# Altium PCB Exter.PcbDoc (part 2 of 2)
Units mm, origin at the board's own origin, x right, y up, seen from the top; angles counter-clockwise.
Board outline 173.35 x 113.03 mm, 2 copper layers (Top Layer, Bottom Layer); 156 components, 130 nets, 506 pads, 251 vias.
Unrouted connection lines stored in the file: 4.
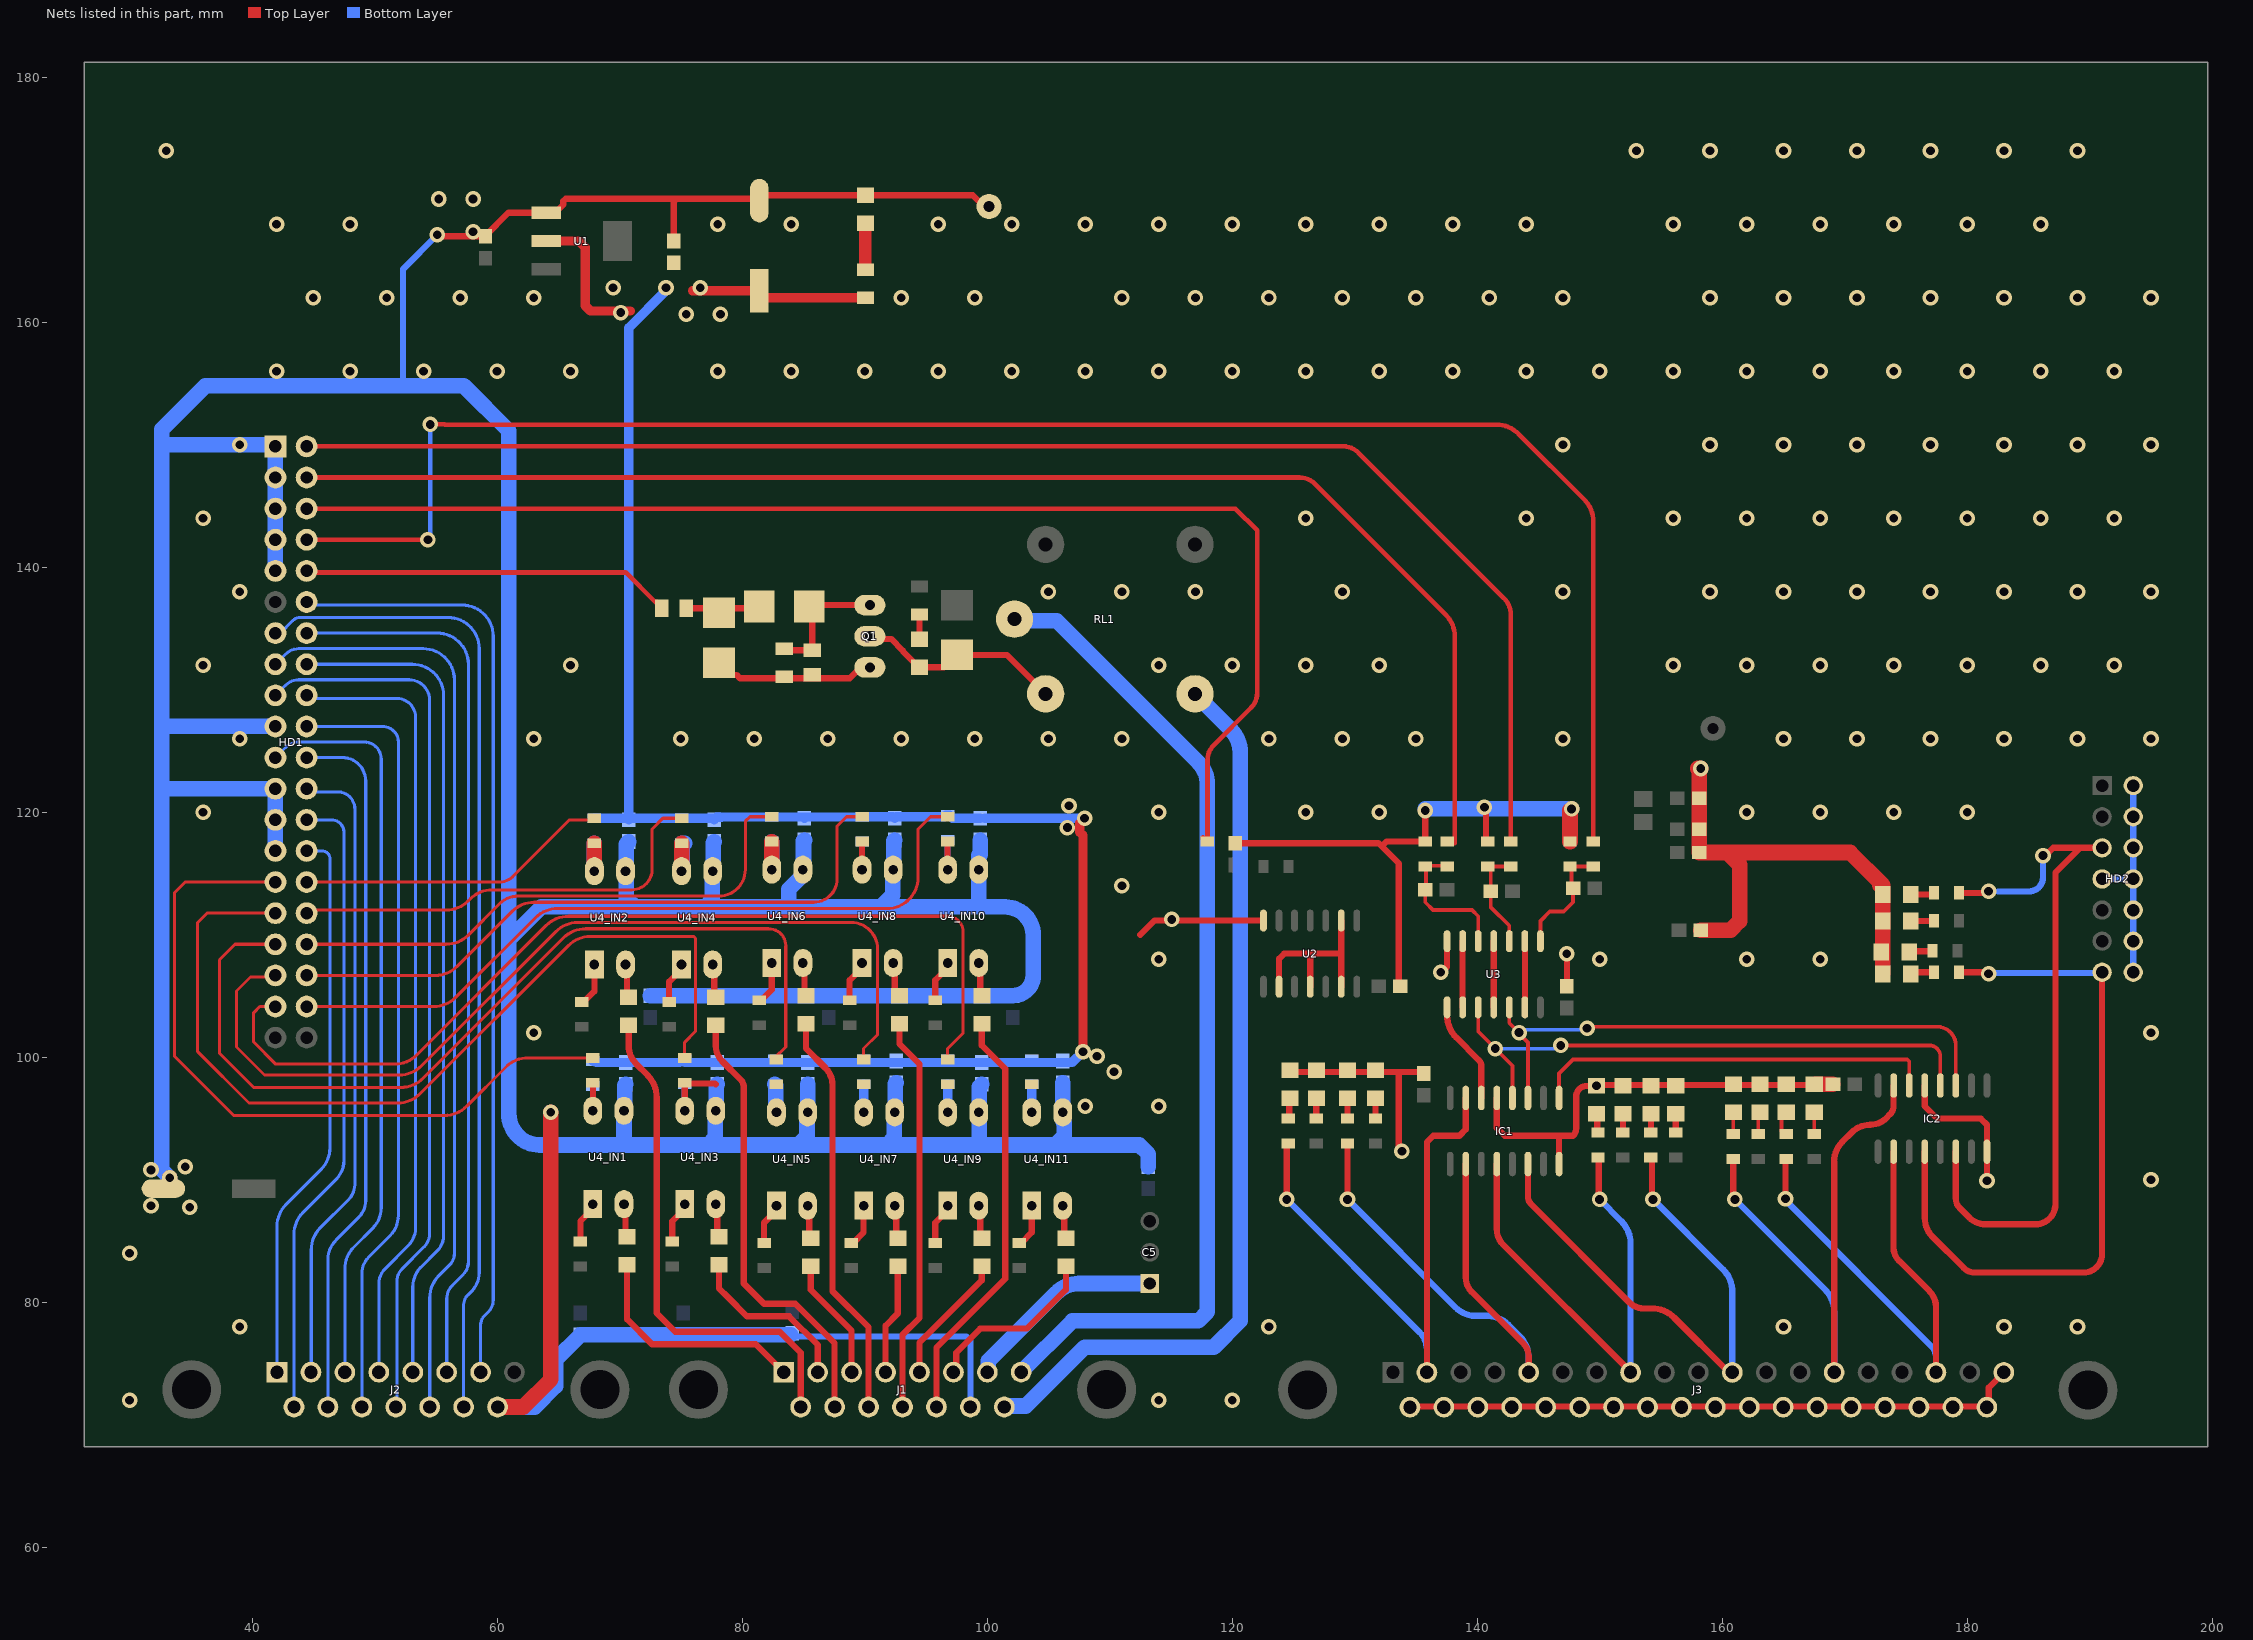
[diagram p2: the nets of this part, all layers, seen from the top]

## Via types
v1: diameter 1.27, hole 0.711, Top Layer to Bottom Layer, tented both sides, 247 vias
v2: diameter 6, hole 4, Top Layer to Bottom Layer, tented both sides, 4 vias

## Nets (pads, with @x,y where several pads share a name; then routed paths per layer and width w, separated by ;. In a path a pad name is that pad's centre, name@x,y a point inside that pad or via, vN(x,y) a via of type N, cw(c..) or ccw(c..) an arc to the next point about the centre after c; other vN are vias at no path point) (continued)
GND: C1.2 C2.2 C3.1 C4.1 C7.1 C11.2 C12.2 C13.1 C14.1 C15.1 C16.1 C17_IN1.2 C17_IN2.2 C17_IN3.2 C17_IN4.2 C17_IN5.2 C17_IN6.2 C17_IN7.2 C17_IN8.2 C17_IN9.2 C17_IN10.2 C17_IN11.2 C18.1 C19.1 C20.1 C21.1 C22.1 C23.1 C24.1 C25.1 C26.1 C27.1 D1.2 D2.2@131.699,98.933 D3.1 D4.2 D5.2 D6.2 D7.2 D8.2 HD1.1 HD1.3 HD1.5 HD1.7 HD1.9 HD1.19 HD1.23 HD1.25 HD1.27 HD2.2 HD2.4 HD2.6 HD2.7 HD2.8 HD2.10 HD2.12 HD2.14 IC1.8 IC1.13 IC2.8 IC2.13 J1.14 J2.15 J3.19 J3.20 J3.21 J3.22 J3.23 J3.24 J3.25 J3.26 J3.27 J3.28 J3.29 J3.30 J3.31 J3.32 J3.33 J3.34 J3.35 J3.36 J3.37 LED1.2 Q1.1 R1.2 R5.2 R6.2 R7.2 S1.2 S2.2 S3.2 S4.2 S5.2 S6.2 S7.2 S8.2 S9.2 TP1.1 U1.1 U2.7 U3.7 U4_IN1.3 U4_IN2.3 U4_IN3.3 U4_IN4.3 U4_IN5.3 U4_IN6.3 U4_IN7.3 U4_IN8.3 U4_IN9.3 U4_IN10.3 U4_IN11.3 | length 779.5
  Top Layer w0.5: 112.5,110 113.658,111.158 U2.7@122.555,111.158
  Top Layer w0.508: v1(55.118,167.132) 55.245,167.005 C3.1@59.055,167.005 59.055,167.055 60.924,168.924 U1.1@64.029,168.924 64.729,168.924 65.405,169.6 65.405,169.882 65.605,170.082 74.676,170.082 ; C4.1@74.422,166.624 74.422,169.828 74.676,170.082 ; D3.1@78.105,132.207 79.101,131.211 79.546,131.211 79.819,130.937 81.28,130.937 83.439,130.937 85.725,130.937 88.787,130.937 89.676,131.826 Q1.1@90.424,131.826 ; TP1.1@100.178,169.012 98.828,170.363 LED1.2@90.068,170.363 81.844,170.363 C2.2@81.407,169.926 81.251,170.082 74.676,170.082 ; C13.1@120.269,117.475 131.953,117.475 132.207,117.221 ; S1.2@124.714,98.933 124.841,98.806 133.604,98.806 ; C11.2@133.604,105.791 133.604,115.824 132.207,117.221 ; v1(133.858,92.329) 133.604,92.583 133.604,98.806 ; J3.20@134.51,71.434 134.577,71.501 181.533,71.501 J3.37@181.6,71.434 181.752,71.586 181.752,73.041 J3.19@182.985,74.274 ; C15.1@135.636,98.679 135.509,98.806 133.604,98.806 ; v1(135.763,120.142) R7.2@135.763,117.602 132.588,117.602 132.207,117.221 ; v1(137.033,106.934) ccw(c137.033,107.241) 137.25,107.024 137.414,107.188 ccw(c137.107,107.495) 137.541,107.495 U3.7@137.541,109.474 ; v1(140.589,120.396) 140.716,120.269 140.716,117.729 R6.2@140.843,117.602 ; IC1.13@141.605,96.68 141.605,94.234 142.24,93.599 146.685,93.599 ; IC1.8@146.685,91.28 146.685,93.599 ; C12.2@147.32,105.791 v1(147.32,108.458) ; D6.2@167.576,97.79 D6.2@167.513,97.79 167.45,97.727 149.796,97.727 v1(149.733,97.663) 148.949,97.663 ccw(c148.949,96.796) 148.336,97.409 ccw(c148.949,96.796) 148.082,96.796 148.082,94.212 cw(c147.215,94.212) 147.828,93.599 146.685,93.599 ; IC2.13@176.53,97.696 176.53,96.012 177.546,94.996 181.102,94.996 181.61,94.488 IC2.8@181.61,92.296 v1(181.61,89.916)
  Top Layer w1.27: C1.2@32.766,89.281 33.274,89.789 v1(33.274,90.17) ; J2.15@60.042,71.453 62.135,71.453 64.389,73.707 v1(64.389,95.504) ; R5.2@147.574,117.602 147.574,120.142 v1(147.701,120.269) ; C19.1@158.242,110.363 160.673,110.363 161.417,111.107 161.417,115.697 160.401,116.713 ; v1(158.242,123.571) 157.988,123.571 cw(c157.681,123.264) 158.115,123.264 C18.1@158.115,121.158 C14.1@158.115,118.618 C20.1@158.115,116.713 160.401,116.713 ; D6.2@167.576,97.79 C16.1@169.037,97.79 ; 172.847,114.046 S8.2@173.101,113.792 ; S7.2@173.101,106.807 D8.2@173.101,111.125 S8.2@173.101,113.284 S8.2@173.101,113.792 ; 160.401,116.713 170.434,116.713 173.101,114.046 S8.2@173.101,113.792
  Bottom Layer w0.508: 52.324,154.813 52.324,164.338 v1(55.118,167.132) ; C21.1@83.947,77.343 84.074,77.216 98.298,77.216 98.631,76.883 J1.14@98.631,71.453 ; HD2.7@191.008,114.554 HD2.8@193.548,114.554 ; HD2.14@193.548,106.934 HD2.12@193.548,109.474 HD2.10@193.548,112.014 HD2.8@193.548,114.554 ; HD2.2@193.548,122.174 HD2.4@193.548,119.634 HD2.6@193.548,117.094 HD2.8@193.548,114.554
  Bottom Layer w1.27: v1(33.274,90.17) 32.639,90.805 32.639,121.92 ; HD1.27@41.91,116.84 HD1.25@41.91,119.38 HD1.23@41.91,121.92 32.639,121.92 ; HD1.19@41.91,127 32.639,127 ; HD1.9@41.91,139.7 HD1.5@41.91,144.78 HD1.1@41.91,149.86 41.783,149.987 32.639,149.987 ; J2.15@60.042,71.453 63.071,71.453 64.77,73.152 64.77,75.311 C22.1@66.802,77.343 C23.1@75.184,77.343 C21.1@83.947,77.343 ; C17_IN1.2@70.485,97.79 70.407,97.712 70.407,95.68 U4_IN1.3@70.358,95.631 70.358,93.091 70.104,92.837 ; C17_IN2.2@70.739,117.602 70.534,117.397 70.534,115.238 U4_IN2.3@70.485,115.189 70.534,115.14 70.534,113.012 71.278,112.268 ; C27.1@72.517,105.029 C26.1@87.058,105.029 C25.1@102.108,105.029 ccw(c102.108,106.68) 103.759,106.68 103.759,109.982 ccw(c101.473,109.982) 101.473,112.268 99.314,112.268 ; C17_IN4.2@77.724,117.602 77.646,117.524 77.646,115.238 U4_IN4.3@77.597,115.189 77.548,115.14 77.548,112.854 76.962,112.268 ; C17_IN3.2@77.978,97.79 77.9,97.712 77.9,95.68 U4_IN3.3@77.851,95.631 77.802,95.582 77.802,93.423 77.216,92.837 ; C17_IN6.2@85.09,117.729 85.012,117.651 85.012,115.365 U4_IN6.3@84.963,115.316 84.963,114.866 83.82,113.723 83.82,112.268 ; C17_IN5.2@85.344,97.79 U4_IN5.3@85.344,95.504 85.295,95.455 85.295,93.55 84.582,92.837 ; C17_IN8.2@92.456,117.729 92.378,117.651 92.378,115.365 U4_IN8.3@92.329,115.316 92.28,115.267 92.28,113.235 91.313,112.268 ; C17_IN7.2@92.583,97.917 92.505,97.839 92.505,95.553 U4_IN7.3@92.456,95.504 92.407,95.455 92.407,93.423 91.821,92.837 ; C17_IN10.2@99.441,117.729 99.441,116.537 ccw(c99.441,116.41) 99.314,116.41 U4_IN10.3@99.314,115.316 99.314,112.268 ; C17_IN9.2@99.568,97.79 99.363,97.585 99.363,95.553 U4_IN9.3@99.314,95.504 99.363,95.455 99.363,92.915 99.441,92.837 ; C17_IN11.2@106.172,97.917 U4_IN11.3@106.172,95.504 106.221,95.455 106.221,94.711 106.299,94.633 106.299,93.581 105.555,92.837 ; C24.1@113.157,91.059 113.157,92.093 112.413,92.837 105.555,92.837 ; v1@135.763,120.269 v1(147.701,120.269) ; 32.639,121.92 32.639,127 ; 32.639,127 32.639,149.987 ; 32.639,149.987 32.639,151.257 36.195,154.813 52.324,154.813 57.277,154.813 60.96,151.13 60.96,109.601 ; 60.96,109.601 60.96,95.377 ccw(c63.5,95.377) 63.5,92.837 70.104,92.837 ; 60.96,109.601 63.627,112.268 71.278,112.268 ; 70.104,92.837 77.216,92.837 ; 71.278,112.268 76.962,112.268 ; 76.962,112.268 83.82,112.268 ; 77.216,92.837 84.582,92.837 ; 83.82,112.268 91.313,112.268 ; 84.582,92.837 91.821,92.837 ; 91.313,112.268 99.314,112.268 ; 91.821,92.837 99.441,92.837 ; 99.441,92.837 105.555,92.837
  other v1: 30,72 114,72 120,72 39,78 123,78 165,78 183,78 189,78 30,84 34.925,87.757 31.75,87.884 195,90 31.75,90.805 34.544,91.059 108,96 114,96 63,102 195,102 114,108 150,108 162,108 168,108 115.062,111.252 111,114 36,120 114,120 126,120 132,120 162,120 168,120 174,120 180,120 39,126 63,126 75,126 81,126 87,126 93,126 99,126 105,126 111,126 123,126 129,126 135,126 147,126 165,126 171,126 177,126 183,126 189,126 195,126 36,132 66,132 114,132 120,132 126,132 132,132 156,132 162,132 168,132 174,132 180,132 186,132 192,132 39,138 105,138 111,138 117,138 129,138 147,138 159,138 165,138 171,138 177,138 183,138 189,138 195,138 36,144 126,144 144,144 156,144 162,144 168,144 174,144 180,144 186,144 192,144 39,150 147,150 159,150 165,150 171,150 177,150 183,150 189,150 195,150 42,156 48,156 54,156 60,156 66,156 78,156 84,156 90,156 96,156 102,156 108,156 114,156 120,156 126,156 132,156 138,156 144,156 150,156 156,156 162,156 168,156 174,156 180,156 186,156 192,156 45,162 51,162 57,162 63,162 93,162 99,162 111,162 117,162 123,162 129,162 135,162 141,162 147,162 159,162 165,162 171,162 177,162 183,162 189,162 195,162 58.039,167.386 42,168 48,168 78,168 84,168 96,168 102,168 108,168 114,168 120,168 126,168 132,168 138,168 144,168 156,168 162,168 168,168 174,168 180,168 186,168 55.245,170.053 58.039,170.053 33,174 153,174 159,174 165,174 171,174 177,174 183,174 189,174
IN1: HD1.29 R27_IN1.1 | length 59.8
  Top Layer w0.254: HD1.29@41.91,114.3 34.544,114.3 33.655,113.411 33.655,100.098 38.503,95.25 55.717,95.25 ccw(c55.717,97.79) 57.513,95.994 60.724,99.205 cw(c62.52,97.409) 62.52,99.949 R27_IN1.1@67.818,99.949
IN2: HD1.30 R27_IN2.1 | length 25.8
  Top Layer w0.254: HD1.30@44.45,114.3 60.198,114.3 ccw(c60.198,115.833) 61.282,114.749 65.913,119.38 68.072,119.38 R27_IN2.1@67.945,119.507
IN3: HD1.31 R27_IN3.1 | length 75.2
  Top Layer w0.254: HD1.31@41.91,111.76 36.322,111.76 35.56,110.998 35.56,100.457 39.751,96.266 51.907,96.266 ccw(c51.907,98.806) 53.703,97.01 65.804,109.111 cw(c67.6,107.315) 67.331,109.841 cw(c67.6,107.315) 67.6,109.855 76.051,109.855 76.2,109.706 76.2,102.108 75.311,101.219 R27_IN3.1@75.311,99.949
IN4: HD1.32 R27_IN4.1 | length 35.8
  Top Layer w0.254: HD1.32@44.45,111.76 44.704,112.014 55.844,112.014 ccw(c55.844,114.554) 57.64,112.758 57.803,112.921 cw(c59.599,111.125) 59.599,113.665 70.993,113.665 ccw(c70.993,115.316) 72.644,115.316 72.644,118.618 73.533,119.507 R27_IN4.1@75.057,119.507
IN5: HD1.33 R27_IN5.1 | length 75.7
  Top Layer w0.254: HD1.33@41.91,109.22 38.608,109.22 37.338,107.95 37.338,100.33 40.132,97.536 52.161,97.536 ccw(c52.161,100.076) 53.957,98.28 65.423,109.746 cw(c67.219,107.95) 67.219,110.49 82.169,110.49 cw(c82.169,109.093) 83.566,109.093 83.566,100.838 82.677,99.949 R27_IN5.1@82.804,99.822
IN6: HD1.34 R27_IN6.1 | length 44.7
  Top Layer w0.254: HD1.34@44.45,109.22 55.844,109.22 ccw(c55.844,111.76) 57.64,109.964 60.198,112.522 cw(c61.731,110.989) 61.731,113.157 78.105,113.157 ccw(c78.105,115.316) 80.264,115.316 80.264,119.253 80.645,119.634 R27_IN6.1@82.423,119.634
IN7: HD1.35 R27_IN7.1 | length 77.2
  Top Layer w0.254: HD1.35@41.91,106.68 41.783,106.553 39.878,106.553 38.735,105.41 38.735,100.838 41.021,98.552 52.034,98.552 ccw(c52.034,101.092) 53.83,99.296 64.788,110.254 cw(c66.584,108.458) 66.584,110.998 88.9,110.998 cw(c88.9,108.839) 89.146,110.984 cw(c88.9,108.839) 91.045,109.085 cw(c88.9,108.839) 91.059,108.839 91.059,101.854 89.913,100.708 89.913,99.825 R27_IN7.1@89.916,99.822
IN8: HD1.36 R27_IN8.1 | length 53.3
  Top Layer w0.254: HD1.36@44.45,106.68 54.955,106.68 ccw(c54.955,109.22) 56.751,107.424 61.232,111.905 cw(c63.028,110.109) 63.028,112.649 85.852,112.649 ccw(c85.852,114.554) 87.757,114.554 87.757,118.872 88.519,119.634 R27_IN8.1@89.789,119.634
IN9: HD1.37 R27_IN9.1 | length 79.5
  Top Layer w0.254: HD1.37@41.91,104.14 40.64,104.14 40.132,103.632 40.132,101.241 41.932,99.441 51.653,99.441 ccw(c51.653,101.981) 53.449,100.185 64.026,110.762 cw(c65.822,108.966) 65.822,111.506 96.774,111.506 cw(c96.774,110.236) 98.044,110.236 98.044,101.981 96.774,100.711 R27_IN9.1@96.774,99.822
IN10: HD1.38 R27_IN10.1 | length 61.2
  Top Layer w0.254: HD1.38@44.45,104.14 54.828,104.14 ccw(c54.828,106.68) 56.624,104.884 63.137,111.397 cw(c64.933,109.601) 64.933,112.141 91.821,112.141 ccw(c91.821,114.681) 94.361,114.681 94.361,118.618 95.377,119.634 R27_IN10.1@96.774,119.634
LATCH1: C9.1 R3.1 R6.1 U3.3 | length 8.7
  Top Layer w0.305: R6.1@140.843,115.57 R6.1@140.849,115.57 ; U3.3@142.621,109.474 142.621,110.744 141.097,112.268 C9.1@141.097,113.538 141.097,115.322 R6.1@140.849,115.57 ; R3.1@142.748,115.57 R6.1@140.849,115.57
MOSI1: C10.1 R4.1 R7.1 U3.5 | length 11.6
  Top Layer w0.305: R4.1@137.541,115.57 137.477,115.633 135.826,115.633 135.826,113.728 C10.1@135.763,113.665 135.763,112.649 136.398,112.014 139.573,112.014 140.081,111.506 U3.5@140.081,109.474
NetC5_1: C5.1 J1.7 | length 16.6
  Bottom Layer w1.27: J1.7@100.016,74.293 100.096,74.373 100.096,75.204 105.682,80.79 cw(c107.478,78.994) 107.478,81.534 C5.1@113.284,81.534
NetC6_2: C6.2 D2.1@81.407,136.779 D3.2 | length 6
  Top Layer w0.508: C6.2@75.422,136.652 81.28,136.652 D2.1@81.407,136.779
NetC7_2: C7.2 D2.2@85.471,136.779 Q1.3 R1.1 | length 10.7
  Top Layer w0.508: R1.1@83.701,133.223 83.693,133.223 83.701,133.215 85.717,133.215 C7.2@85.725,133.207 85.725,136.525 D2.2@85.471,136.779 85.598,136.906 Q1.3@90.424,136.906
NetD1_1: D1.1 R9.2 | length 1.7
  Top Layer w0.508: D1.1@126.869,96.647 126.871,96.645 126.871,94.998 R9.2@126.873,94.996
NetD2_1: D2.1@131.699,96.647 R11.2 | length 1.7
  Top Layer w0.508: R11.2@131.699,94.996 D2.1@131.699,96.647
NetD4_1: D4.1 R15.2 | length 1.5
  Top Layer w0.508: R15.2@156.21,93.853 D4.1@156.21,95.377
NetD5_1: D5.1 R17.2 | length 1.8
  Top Layer w0.305: R17.2@162.941,93.726 162.941,95.377 D5.1@163.068,95.504
NetD6_1: D6.1 R19.2 | length 1.8
  Top Layer w0.305: R19.2@167.513,93.726 D6.1@167.513,95.504
NetD7_1: D7.1 R21.2 | length 2
  Top Layer w0.508: D7.1@175.26,108.585 175.323,108.648 177.101,108.648 R21.2@177.165,108.712
NetD8_1: D8.1 R23.2 | length 1.9
  Top Layer w0.508: D8.1@175.387,111.125 R23.2@177.292,111.125
NetD10_1: D10.1 LED18.2 Q1.2 RL1.4 | length 17.2
  Top Layer w0.508: Q1.2@90.424,134.366 90.648,134.142 92.172,134.142 93.123,133.191 93.123,133.128 94.424,131.826 LED18.2@94.488,131.826 96.47,131.826 97.486,132.842 D10.1@97.536,132.842 101.6,132.842 RL1.4@104.775,129.667
NetIC1_9: IC1.9 IC2.14 | length 33.1
  Top Layer w0.305: IC1.9@146.685,96.68 146.685,98.679 147.828,99.822 175.081,99.822 175.26,99.643 IC2.14@175.26,97.696
NetIC1_11: IC1.11 IC2.11 U3.12 | length 48
  Top Layer w0.305: U3.12@142.621,104.074 142.621,102.806 v1(143.415,102.013) 143.415,101.929 144.145,101.198 IC1.11@144.145,96.68 ; v1(148.971,102.362) 149.098,102.489 177.546,102.489 cw(c177.546,100.965) 177.826,102.463 cw(c177.546,100.965) 179.044,101.245 cw(c177.546,100.965) 179.07,100.965 IC2.11@179.07,97.696
  Bottom Layer w0.305: v1(143.415,102.013) 143.637,102.235 148.844,102.235 v1(148.971,102.362)
NetIC1_12: IC1.12 IC2.12 U3.10 | length 47.9
  Top Layer w0.305: U3.10@140.081,104.074 140.081,102.108 v1(141.478,100.711) 142.875,99.314 IC1.12@142.875,96.68 ; v1(146.812,100.965) 176.911,100.965 cw(c176.911,100.076) 177.8,100.076 IC2.12@177.8,97.696
  Bottom Layer w0.305: v1(141.478,100.711) 141.503,100.686 146.271,100.686 146.551,100.965 v1(146.812,100.965)
NetIC1_14: IC1.14 U3.8 | length 8.4
  Top Layer w0.508: U3.8@137.541,104.074 137.541,103.414 ccw(c140.081,103.414) 138.285,101.618 140.144,99.758 cw(c139.685,99.299) 140.335,99.299 IC1.14@140.335,96.68
NetLED1_1: LED1.1 R30.2 | length 3.8
  Top Layer w0.508: R30.2@90.064,164.278 R30.2@90.066,164.28 ; LED1.1@90.066,168.075 LED1.1@90.068,168.077
  Top Layer w1.016: R30.2@90.066,164.28 LED1.1@90.066,168.075
NetLED17_IN1_1: LED17_IN1.1 U4_IN1.2 | length 2.8
  Top Layer w0.508: U4_IN1.2@70.358,88.011 70.485,87.884 70.485,85.471 LED17_IN1.1@70.612,85.344
NetLED17_IN2_1: LED17_IN2.1 U4_IN2.2 | length 2.8
  Top Layer w0.508: U4_IN2.2@70.485,107.569 70.612,107.442 70.612,105.029 LED17_IN2.1@70.739,104.902
NetLED17_IN3_1: LED17_IN3.1 U4_IN3.2 | length 2.8
  Top Layer w0.508: U4_IN3.2@77.851,88.011 77.978,87.884 77.978,85.471 LED17_IN3.1@78.105,85.344
NetLED17_IN4_1: LED17_IN4.1 U4_IN4.2 | length 3.2
  Top Layer w0.508: LED17_IN4.1@77.597,104.648 LED17_IN4.1@77.724,104.775 ; U4_IN4.2@77.597,107.569 77.724,107.442 LED17_IN4.1@77.724,104.775 ; LED17_IN4.1@77.851,104.902 LED17_IN4.1@77.724,104.775
NetLED17_IN5_1: LED17_IN5.1 U4_IN5.2 | length 2.8
  Top Layer w0.508: U4_IN5.2@85.344,87.884 85.471,87.757 85.471,85.344 LED17_IN5.1@85.598,85.217
NetLED17_IN6_1: LED17_IN6.1 U4_IN6.2 | length 2.8
  Top Layer w0.508: U4_IN6.2@84.963,107.696 85.09,107.569 85.09,105.156 LED17_IN6.1@85.217,105.029
NetLED17_IN7_1: LED17_IN7.1 U4_IN7.2 | length 2.8
  Top Layer w0.508: U4_IN7.2@92.456,87.884 92.583,87.757 92.583,85.344 LED17_IN7.1@92.71,85.217
NetLED17_IN8_1: LED17_IN8.1 U4_IN8.2 | length 2.8
  Top Layer w0.508: U4_IN8.2@92.329,107.696 92.456,107.569 92.456,105.156 LED17_IN8.1@92.583,105.029
NetLED17_IN9_1: LED17_IN9.1 U4_IN9.2 | length 2.8
  Top Layer w0.508: U4_IN9.2@99.314,87.884 99.441,87.757 99.441,85.344 LED17_IN9.1@99.568,85.217
NetLED17_IN10_1: LED17_IN10.1 U4_IN10.2 | length 2.8
  Top Layer w0.508: U4_IN10.2@99.314,107.696 99.441,107.569 99.441,105.156 LED17_IN10.1@99.568,105.029
NetLED17_IN11_1: LED17_IN11.1 U4_IN11.2 | length 2.8
  Top Layer w0.508: U4_IN11.2@106.172,87.884 106.299,87.757 106.299,85.344 LED17_IN11.1@106.426,85.217
NetLED18_1: LED18.1 R29.2 | length 2
  Top Layer w0.508: LED18.1@94.488,134.112 R29.2@94.488,136.144
NetR8_2: R8.2 S1.1 | length 1.7
  Top Layer w0.508: R8.2@124.587,94.996 124.65,95.059 124.65,96.584 S1.1@124.714,96.647
NetR10_2: R10.2 S2.1 | length 1.7
  Top Layer w0.508: R10.2@129.413,94.996 S2.1@129.413,96.647
NetR12_2: R12.2 S3.1 | length 1.6
  Top Layer w0.508: S3.1@149.733,95.377 149.796,95.313 149.796,93.916 R12.2@149.86,93.853
NetR13_2: R13.2 S9.1 | length 1.5
  Top Layer w0.508: R13.2@151.892,93.853 S9.1@151.892,95.377
NetR14_2: R14.2 S4.1 | length 1.5
  Top Layer w0.508: R14.2@154.178,93.853 S4.1@154.178,95.377
NetR16_2: R16.2 S5.1 | length 1.8
  Top Layer w0.305: R16.2@160.909,93.726 S5.1@160.909,95.504
NetR18_2: R18.2 S6.1 | length 2.3
  Top Layer w0.305: R18.2@165.227,93.726 165.077,93.726 164.829,93.974 164.829,95.325 165.008,95.504 S6.1@165.227,95.504
NetR20_2: R20.2 S7.1 | length 2.1
  Top Layer w0.508: S7.1@175.387,106.807 175.514,106.807 175.641,106.68 175.641,106.807 175.768,106.934 R20.2@177.292,106.934
NetR22_2: R22.2 S8.1 | length 2
  Top Layer w0.508: S8.1@175.387,113.284 177.292,113.284 R22.2@177.292,113.411
NetR26_IN1_2: R26_IN1.2 R27_IN1.2 U4_IN1.4 | length 4.4
  Top Layer w0.508: U4_IN1.4@67.818,95.631 R27_IN1.2@67.818,97.917 R27_IN1.2@67.882,97.853
  Bottom Layer w0.508: U4_IN1.4@67.818,95.631 R26_IN1.2@67.818,97.663
NetR26_IN2_2: R26_IN2.2 R27_IN2.2 U4_IN2.4 | length 4.6
  Top Layer w1.27: U4_IN2.4@67.945,115.189 R27_IN2.2@67.945,117.475
  Bottom Layer w1.27: U4_IN2.4@67.945,115.189 R26_IN2.2@67.945,117.475
NetR26_IN3_2: R26_IN3.2 R27_IN3.2 U4_IN3.4 | length 7
  Top Layer w0.508: U4_IN3.4@75.311,95.631 R27_IN3.2@75.311,97.917 75.374,97.853 77.787,97.853 77.851,97.79
  Bottom Layer w0.508: U4_IN3.4@75.311,95.631 R26_IN3.2@75.311,97.79
NetR26_IN4_2: R26_IN4.2 R27_IN4.2 U4_IN4.4 | length 4.9
  Top Layer w1.27: U4_IN4.4@75.057,115.189 R27_IN4.2@75.057,117.475
  Bottom Layer w1.27: U4_IN4.4@75.057,115.189 75.106,115.238 75.106,117.27 75.311,117.475 R26_IN4.2@75.057,117.475
NetR26_IN5_2: R26_IN5.2 R27_IN5.2 U4_IN5.4 | length 2.3
  Bottom Layer w1.27: R26_IN5.2@82.677,97.79 82.755,97.712 82.755,95.553 U4_IN5.4@82.804,95.504
NetR26_IN6_2: R26_IN6.2 R27_IN6.2 U4_IN6.4 | length 4.6
  Top Layer w1.27: U4_IN6.4@82.423,115.316 R27_IN6.2@82.423,117.602
  Bottom Layer w1.27: U4_IN6.4@82.423,115.316 R26_IN6.2@82.423,117.602
NetR26_IN7_2: R26_IN7.2 R27_IN7.2 U4_IN7.4 | length 2.3
  Bottom Layer w0.762: U4_IN7.4@89.916,95.504 R26_IN7.2@89.916,97.79
NetR26_IN8_2: R26_IN8.2 R27_IN8.2 U4_IN8.4 | length 4.6
  Top Layer w0.508: U4_IN8.4@89.789,115.316 R27_IN8.2@89.789,117.602
  Bottom Layer w0.508: U4_IN8.4@89.789,115.316 R26_IN8.2@89.789,117.602
NetR26_IN9_2: R26_IN9.2 R27_IN9.2 U4_IN9.4 | length 2.3
  Bottom Layer w0.762: U4_IN9.4@96.774,95.504 R26_IN9.2@96.774,97.79
NetR26_IN10_2: R26_IN10.2 R27_IN10.2 U4_IN10.4 | length 4.7
  Top Layer w0.508: U4_IN10.4@96.774,115.316 R27_IN10.2@96.774,117.602
  Bottom Layer w0.508: U4_IN10.4@96.774,115.316 R26_IN10.2@96.774,117.729
NetR26_IN11_2: R26_IN11.2 R27_IN11.2 U4_IN11.4 | length 2.3
  Bottom Layer w0.762: U4_IN11.4@103.632,95.504 R26_IN11.2@103.632,97.79
NetR28_IN1_2: R28_IN1.2 U4_IN1.1 | length 3.5
  Top Layer w0.508: R28_IN1.2@66.802,84.963 66.802,86.614 67.818,87.63 U4_IN1.1@67.818,88.011
NetR28_IN2_2: R28_IN2.2 U4_IN2.1 | length 3.6
  Top Layer w0.508: R28_IN2.2@66.929,104.521 67.079,104.521 67.945,105.387 U4_IN2.1@67.945,107.569
NetR28_IN3_2: R28_IN3.2 U4_IN3.1 | length 3.5
  Top Layer w0.508: R28_IN3.2@74.295,84.963 74.295,86.614 75.311,87.63 U4_IN3.1@75.311,88.011
NetR28_IN4_2: R28_IN4.2 U4_IN4.1 | length 3.5
  Top Layer w0.508: R28_IN4.2@74.041,104.521 74.041,106.172 75.057,107.188 U4_IN4.1@75.057,107.569
NetR28_IN5_2: R28_IN5.2 U4_IN5.1 | length 3.5
  Top Layer w0.508: R28_IN5.2@81.788,84.836 81.788,86.487 82.804,87.503 U4_IN5.1@82.804,87.884
NetR28_IN6_2: R28_IN6.2 U4_IN6.1 | length 3.6
  Top Layer w0.508: R28_IN6.2@81.407,104.648 81.557,104.648 82.423,105.514 U4_IN6.1@82.423,107.696
NetR28_IN7_2: R28_IN7.2 U4_IN7.1 | length 3.6
  Top Layer w0.508: R28_IN7.2@88.9,84.836 89.05,84.836 89.916,85.702 U4_IN7.1@89.916,87.884
NetR28_IN8_2: R28_IN8.2 U4_IN8.1 | length 3.5
  Top Layer w0.508: R28_IN8.2@88.773,104.648 88.773,106.299 89.789,107.315 U4_IN8.1@89.789,107.696
NetR28_IN9_2: R28_IN9.2 U4_IN9.1 | length 3.5
  Top Layer w0.508: R28_IN9.2@95.758,84.836 95.758,86.487 96.774,87.503 U4_IN9.1@96.774,87.884
NetR28_IN10_2: R28_IN10.2 U4_IN10.1 | length 3.5
  Top Layer w0.508: R28_IN10.2@95.758,104.648 95.758,106.299 96.774,107.315 U4_IN10.1@96.774,107.696
NetR28_IN11_2: R28_IN11.2 U4_IN11.1 | length 3.6
  Top Layer w0.508: R28_IN11.2@102.616,84.836 102.766,84.836 103.632,85.702 U4_IN11.1@103.632,87.884
NetU2_2: U2.2 U2.9 U2.11 U2.13 | length 15.7
  Top Layer w0.508: U2.9@123.825,105.758 123.825,108.033 124.25,108.458 126.492,108.458 ; U2.11@126.365,105.758 126.365,108.331 126.492,108.458 ; U2.13@128.905,105.758 128.905,108.458 ; U2.2@128.905,111.158 128.905,108.458 ; 126.492,108.458 128.905,108.458
NetU3_2: U3.2 U3.13 | length 5.4
  Top Layer w0.508: U3.13@143.891,104.074 U3.2@143.891,109.474
NetU3_4: U3.4 U3.11 | length 5.4
  Top Layer w0.508: U3.11@141.351,104.074 U3.4@141.351,109.474
NetU3_6: U3.6 U3.9 | length 5.4
  Top Layer w0.508: U3.9@138.811,104.074 U3.6@138.811,109.474
P9/MOSI: HD1.4 R4.2 | length 116.4
  Top Layer w0.381: HD1.4@44.45,147.32 125.52,147.32 cw(c125.52,145.586) 126.745,146.813 137.432,136.126 cw(c135.636,134.33) 138.176,134.33 138.176,117.475
P10/ENB: HD1.6 R25.2 | length 105.9
  Top Layer w0.381: HD1.6@44.45,144.78 120.269,144.78 122.047,143.002 122.047,129.75 cw(c120.313,129.75) 121.539,128.524 118.491,125.476 ccw(c119.717,124.25) 117.983,124.25 R25.2@117.983,117.602 117.833,117.602 117.623,117.812 R25.2@117.623,117.962
P11/SCK: HD1.8 R2.2 | length 144.1
  Top Layer w0.381: HD1.8@44.45,142.24 v1(54.356,142.24) ; v1(54.553,151.655) 55.736,151.655 55.753,151.638 141.569,151.638 cw(c141.569,149.098) 143.365,150.894 148.735,145.524 cw(c146.939,143.728) 149.479,143.728 R2.2@149.479,117.602
  Bottom Layer w0.381: v1(54.356,142.24) 54.553,142.437 v1(54.553,151.655)
P17/PWM1: HD1.20 J2.11 | length 63.5
  Bottom Layer w0.254: HD1.20@44.45,127 50.673,127 cw(c50.673,125.73) 50.96,126.967 cw(c50.673,125.73) 51.91,126.017 cw(c50.673,125.73) 51.943,125.73 51.943,87.094 cw(c49.558,87.094) 51.244,85.408 49.53,83.693 ccw(c50.901,82.322) 49.529,83.692 ccw(c50.901,82.322) 48.962,82.322 J2.11@48.962,71.453
P18/PWM2: HD1.21 J2.3 | length 61
  Bottom Layer w0.254: HD1.21@41.91,124.46 42.731,125.281 cw(c43.815,124.197) 43.815,125.73 49.149,125.73 cw(c49.149,124.333) 50.546,124.333 50.546,87.729 cw(c48.161,87.729) 49.847,86.043 48.321,84.516 ccw(c50.117,82.72) 47.577,82.72 J2.3@47.577,74.293
P19/PWM3: HD1.22 J2.10 | length 58.1
  Bottom Layer w0.254: HD1.22@44.45,124.46 47.371,124.46 cw(c47.371,122.555) 49.276,122.555 49.276,88.311 cw(c47.325,88.311) 48.705,86.932 46.863,85.09 ccw(c48.483,83.47) 46.192,83.47 J2.10@46.192,71.453
P20/PWM4: HD1.24 J2.2 | length 52.1
  Bottom Layer w0.254: HD1.24@44.45,121.92 44.704,121.666 46.99,121.666 cw(c46.99,120.269) 47.123,121.66 cw(c46.99,120.269) 48.381,120.402 cw(c46.99,120.269) 48.387,120.269 48.387,89.618 cw(c46.653,89.618) 47.879,88.392 45.575,86.088 ccw(c47.371,84.292) 44.831,84.292 44.831,74.317 J2.2@44.807,74.293
P21/PWM5: HD1.26 J2.9 | length 52
  Bottom Layer w0.254: J2.9@43.422,71.453 43.422,85.55 cw(c45.962,85.55) 44.166,87.346 46.863,90.043 ccw(c45.33,91.576) 46.864,90.044 ccw(c45.33,91.576) 47.498,91.576 47.498,118.364 ccw(c46.482,118.364) 46.482,119.38 HD1.26@44.45,119.38
P22/PWM6: HD1.28 J2.1 | length 45.7
  Bottom Layer w0.254: J2.1@42.037,74.293 42.037,86.197 cw(c44.577,86.197) 42.781,87.993 45.611,90.823 ccw(c43.815,92.619) 46.355,92.619 46.355,116.205 ccw(c45.72,116.205) 45.72,116.84 HD1.28@44.45,116.84
P41/A0: HD1.18 J2.4 | length 64.4
  Bottom Layer w0.254: HD1.18@44.45,129.54 44.704,129.286 51.816,129.286 cw(c51.816,127.762) 53.34,127.762 53.34,86.025 cw(c51.389,86.025) 52.769,84.646 50.863,82.74 ccw(c52.111,81.493) 50.863,82.74 ccw(c52.111,81.493) 50.347,81.493 J2.4@50.347,74.293
P42/A1: HD1.17 J2.12 | length 72.7
  Bottom Layer w0.254: HD1.17@41.91,129.54 42.735,130.365 ; 42.736,130.366 cw(c43.809,129.292) 43.809,130.81 52.832,130.81 cw(c52.832,129.159) 54.483,129.159 54.483,85.592 cw(c52.965,85.592) 54.039,84.519 ; J2.12@51.732,71.453 51.816,71.537 51.816,81.667 cw(c53.334,81.667) 52.26,82.74 ; 52.261,82.74 54.038,84.519
P43/A2: HD1.16 J2.5 | length 68.7
  Bottom Layer w0.254: HD1.16@44.45,132.08 53.086,132.08 cw(c53.086,129.54) 55.626,129.54 55.626,85.427 cw(c53.892,85.427) 55.118,84.201 53.785,82.867 ; J2.5@53.117,74.293 53.117,81.256 cw(c55.396,81.256) 53.784,82.867
P44/A3: HD1.15 J2.13 | length 76.5
  Bottom Layer w0.254: HD1.15@41.91,132.08 42.731,132.901 cw(c43.815,131.817) 43.815,133.35 53.975,133.35 cw(c53.975,130.81) 56.515,130.81 56.515,83.978 cw(c55.214,83.978) 56.135,83.059 ; J2.13@54.502,71.453 54.502,80.374 cw(c57.042,80.374) 55.246,82.17 56.134,83.058
P45/A4: HD1.14 J2.6 | length 73
  Bottom Layer w0.254: HD1.14@44.45,134.62 55.118,134.62 cw(c55.118,132.08) 57.658,132.08 57.658,83.312 cw(c56.125,83.312) 57.209,82.228 56.325,81.343 ccw(c57.381,80.287) 55.887,80.287 J2.6@55.887,74.293
P46/A5: HD1.13 J2.14 | length 80.9
  Bottom Layer w0.254: HD1.13@41.91,134.62 42.291,134.62 43.307,135.636 cw(c43.92,135.023) 43.92,135.89 56.007,135.89 cw(c56.007,133.35) 58.547,133.35 58.547,82.423 cw(c56.401,82.423) 57.919,80.906 ; J2.14@57.272,71.453 57.272,79.802 cw(c58.375,79.802) 57.594,80.581 ; 57.595,80.582 57.918,80.905
P47/A6: HD1.12 J2.7 | length 77.2
  Bottom Layer w0.254: HD1.12@44.45,137.16 44.704,136.906 57.15,136.906 cw(c57.15,134.366) 59.69,134.366 59.69,80.168 cw(c58.389,80.168) 59.309,79.248 58.983,78.922 ccw(c59.77,78.135) 58.657,78.135 J2.7@58.657,74.293
P51/LATCH: HD1.2 R3.2 | length 122.8
  Top Layer w0.381: HD1.2@44.45,149.86 129.076,149.86 cw(c129.076,148.126) 130.302,149.352 142.177,137.477 cw(c140.797,136.098) 142.748,136.098 R3.2@142.748,117.602
PUMP: C6.1 HD1.10 | length 30.3
  Top Layer w0.381: HD1.10@44.45,139.7 44.577,139.573 70.501,139.573 72.914,137.16 73.063,137.16 73.422,136.801 C6.1@73.422,136.652
PUMP_COM: J1.8 RL1.1 | length 82.1
  Bottom Layer w1.27: RL1.1@102.235,135.763 102.362,135.636 105.664,135.636 117.239,124.061 cw(c115.443,122.265) 117.983,122.265 117.983,79.23 117.239,78.486 106.962,78.486 J1.8@102.774,74.298
PUMP_NO: J1.15 RL1.3 | length 74.8
  Bottom Layer w1.27: J1.15@101.401,71.453 101.481,71.533 103.156,71.533 107.95,76.327 118.491,76.327 120.65,78.486 120.65,124.932 ccw(c118.11,124.932) 119.906,126.728 RL1.3@116.967,129.667
SCK1: C8.1 R2.1 R5.1 U3.1 | length 10.2
  Top Layer w0.305: U3.1@145.161,109.474 145.161,111.125 145.923,111.887 147.066,111.887 147.828,112.649 C8.1@147.828,113.792 ; C8.1@147.38,113.394 C8.1@147.651,113.665 ; R5.1@147.574,115.57 R5.1@147.701,115.57 ; C8.1@147.701,113.792 R5.1@147.701,115.57 ; R2.1@149.479,115.57 R5.1@147.701,115.57
SEN1: J1.1 LED17_IN1.2 | length 19
  Top Layer w0.508: LED17_IN1.2@70.612,83.058 70.612,78.613 72.644,76.581 81.108,76.581 J1.1@83.396,74.293
SEN2: J1.9 LED17_IN2.2 | length 41.8
  Top Layer w0.508: LED17_IN2.2@70.739,102.616 70.739,100.965 ccw(c72.885,100.965) 71.367,99.448 ; 71.368,99.447 72.281,98.534 cw(c70.485,96.738) 73.025,96.738 73.025,79.121 74.549,77.597 83.058,77.597 84.781,75.874 J1.9@84.781,71.453
SEN3: J1.2 LED17_IN3.2 | length 14.1
  Top Layer w0.508: LED17_IN3.2@78.105,83.058 78.105,81.153 78.867,80.391 80.391,78.867 83.82,78.867 86.166,76.521 J1.2@86.166,74.293
SEN4: J1.10 LED17_IN4.2 | length 36.6
  Top Layer w0.508: LED17_IN4.2@77.851,102.616 77.851,100.921 ccw(c79.585,100.921) 78.359,99.695 79.883,98.171 cw(c79.27,97.558) 80.137,97.558 80.137,81.534 81.788,79.883 84.328,79.883 87.551,76.66 J1.10@87.551,71.453
SEN5: J1.3 LED17_IN5.2 | length 10
  Top Layer w0.508: LED17_IN5.2@85.598,82.931 85.598,81.026 88.936,77.688 J1.3@88.936,74.293
SEN6: J1.11 LED17_IN6.2 | length 33.3
  Top Layer w0.508: LED17_IN6.2@85.217,102.743 85.217,100.711 86.804,99.123 cw(c85.425,97.744) 87.376,97.744 87.376,80.899 90.321,77.954 J1.11@90.321,71.453
SEN7: J1.4 LED17_IN7.2 | length 9.1
  Top Layer w0.508: J1.4@91.706,74.293 91.706,78.079 92.71,79.083 LED17_IN7.2@92.71,82.931
SEN8: J1.12 LED17_IN8.2 | length 32.6
  Top Layer w0.508: LED17_IN8.2@92.837,102.743 92.837,101.092 94.488,99.441 94.488,78.74 93.091,77.343 J1.12@93.091,71.453
SEN9: J1.5 LED17_IN9.2 | length 10.7
  Top Layer w0.508: J1.5@94.476,74.293 94.476,76.696 99.568,81.788 LED17_IN9.2@99.568,82.931
SEN10: J1.13 LED17_IN10.2 | length 34.4
  Top Layer w0.508: J1.13@95.861,71.453 95.861,76.303 101.473,81.915 101.473,99.06 99.568,100.965 LED17_IN10.2@99.568,102.743
SEN11: J1.6 LED17_IN11.2 | length 14.7
  Top Layer w0.508: J1.6@97.246,74.293 97.472,74.519 97.472,75.882 99.441,77.851 103.251,77.851 106.426,81.026 LED17_IN11.2@106.426,82.931
STEP0: IC1.15 J3.2 R8.1 | length 48.4
  Top Layer w0.508: v1(124.46,88.392) 124.46,92.837 R8.1@124.587,92.964 ; J3.2@135.895,74.274 135.895,93.074 136.42,93.599 138.557,93.599 139.065,94.107 IC1.15@139.065,96.68
  Bottom Layer w0.508: v1(124.46,88.392) 135.319,77.534 cw(c133.927,76.142) 135.895,76.142 J3.2@135.895,74.274
STEP1: IC1.2 J3.5 R10.1 | length 45
  Top Layer w0.508: v1@129.413,88.604 R10.1@129.413,92.964 ; IC1.2@139.065,91.28 139.065,82.011 ccw(c140.685,82.011) 139.539,80.866 ; 139.54,80.866 143.756,76.649 cw(c142.672,75.565) 144.205,75.565 J3.5@144.205,74.274
  Bottom Layer w0.508: v1(129.413,88.392) 138.194,79.611 ccw(c139.99,81.407) 139.579,78.901 140.748,78.901 cw(c140.748,76.361) 141.16,78.867 cw(c140.748,76.361) 142.544,78.157 143.461,77.24 cw(c141.665,75.444) 144.205,75.444 J3.5@144.205,74.274
STEP2: IC1.4 J3.8 R12.1 | length 40
  Top Layer w0.508: IC1.4@141.605,91.28 141.605,85.935 ccw(c143.339,85.935) 142.113,84.709 152.515,74.307 J3.8@152.515,74.274 ; R12.1@149.86,91.821 149.923,91.757 149.923,88.456 v1(149.987,88.392)
  Bottom Layer w0.508: v1(149.987,88.392) 151.771,86.608 cw(c149.975,84.812) 152.515,84.812 J3.8@152.515,74.274
STEP3: IC1.6 J3.11 R14.1 | length 45.5
  Top Layer w0.508: IC1.6@144.145,91.28 144.145,88.624 ccw(c145.012,88.624) 144.398,88.012 152.427,79.983 ccw(c153.588,81.145) 153.588,79.502 154.269,79.502 cw(c154.269,76.962) 156.065,78.758 160.549,74.274 J3.11@160.823,74.274 ; R14.1@154.178,91.821 154.265,91.734 154.265,88.479 v1(154.351,88.392)
  Bottom Layer w0.508: v1(154.351,88.392) 160.079,82.664 cw(c158.283,80.868) 160.823,80.868 J3.11@160.823,74.274
STEP4: IC2.15 J3.14 R16.1 | length 46.8
  Top Layer w0.508: R16.1@160.909,91.694 160.909,88.519 v1(161.036,88.392) ; J3.14@169.135,74.274 169.135,91.488 cw(c171.402,91.488) 169.799,93.091 170.567,93.859 cw(c172.085,92.342) 172.085,94.488 ccw(c172.085,96.328) 172.756,94.615 ccw(c172.085,96.328) 173.386,95.027 173.688,95.329 ccw(c172.959,96.058) 173.99,96.058 IC2.15@173.99,97.696
  Bottom Layer w0.508: v1(161.036,88.392) 168.391,81.037 cw(c166.595,79.241) 169.135,79.241 J3.14@169.135,74.274
STEP5: IC2.2 J3.17 R18.1 | length 41.8
  Top Layer w0.508: v1(165.163,88.456) 165.163,91.63 R18.1@165.227,91.694 ; IC2.2@173.99,92.296 173.99,84.449 ccw(c175.508,84.449) 174.434,83.376 ; 174.434,83.376 176.925,80.885 cw(c175.668,79.629) 177.445,79.629 J3.17@177.445,74.274
  Bottom Layer w0.508: v1(165.163,88.456) 165.163,88.328 177.104,76.388 ; 177.105,76.387 cw(c176.281,75.565) 177.445,75.565 J3.17@177.445,74.274
STEP6: HD2.13 IC2.4 R20.1 | length 57.8
  Top Layer w0.508: IC2.4@176.53,92.296 176.53,86.877 ccw(c178.698,86.877) 177.164,85.345 ccw(c178.698,86.877) 177.165,85.344 179.705,82.804 ccw(c180.625,83.724) 180.625,82.423 189.484,82.423 ccw(c189.484,83.947) 191.008,83.947 HD2.13@191.008,106.934 ; R20.1@179.324,106.934 181.229,106.934 181.356,106.807 v1(181.737,106.807)
  Bottom Layer w0.508: v1(181.737,106.807) 181.8,106.87 190.945,106.87 HD2.13@191.008,106.934
STEP7: HD2.5 IC2.6 R22.1 | length 57.5
  Top Layer w0.508: IC2.6@179.07,92.296 179.07,88.46 ccw(c180.154,88.46) 179.388,87.694 180.182,86.899 ccw(c181.483,88.2) 181.483,86.36 185.547,86.36 ccw(c185.547,88.011) 187.198,88.011 187.198,115.062 189.23,117.094 ; R22.1@179.324,113.411 v1@181.737,113.411 ; v1(186.182,116.459) 186.388,116.459 187.023,117.094 189.23,117.094 ; HD2.5@191.008,117.094 189.23,117.094
  Bottom Layer w0.508: 182.499,113.538 185.039,113.538 ccw(c185.039,114.681) 185.532,113.65 ccw(c185.039,114.681) 186.07,114.188 ccw(c185.039,114.681) 186.182,114.681 v1(186.182,116.459)
  other v1: 181.737,113.538
VCC: C2.1 C4.2 C17_IN1.1 C17_IN2.1 C17_IN3.1 C17_IN4.1 C17_IN5.1 C17_IN6.1 C17_IN7.1 C17_IN8.1 C17_IN9.1 C17_IN10.1 C17_IN11.1 R26_IN1.1 R26_IN2.1 R26_IN3.1 R26_IN4.1 R26_IN5.1 R26_IN6.1 R26_IN7.1 R26_IN8.1 R26_IN9.1 R26_IN10.1 R26_IN11.1 R30.1 U1.2 | length 174.6
  Top Layer w0.762: U1.2@64.029,166.624 66.675,166.624 67.183,166.116 67.183,161.355 67.629,160.909 70.866,160.909 ; C4.2@74.422,164.796 C4.2@74.422,164.846 ; 75.946,162.56 C2.1@81.407,162.56 81.407,162.361 81.776,161.992 R30.1@90.064,161.992 ; v1@107.569,119.126 107.569,118.364 107.823,118.11 v1(107.823,100.457)
  Bottom Layer w0.762: R26_IN1.1@67.818,99.695 67.837,99.676 67.987,99.676 68.095,99.568 74.907,99.568 75.142,99.803 R26_IN3.1@75.311,99.803 ; R26_IN2.1@67.945,119.507 C17_IN2.1@70.739,119.507 ; C17_IN2.1@70.739,119.38 C17_IN2.1@70.739,119.507 ; v1(73.787,162.814) 73.787,162.579 70.739,159.531 C17_IN2.1@70.739,119.507 ; R26_IN3.1@75.311,99.568 C17_IN3.1@77.978,99.568 C17_IN5.1@85.344,99.568 C17_IN9.1@99.568,99.568 ; R26_IN6.1@82.423,119.634 82.404,119.615 78.339,119.615 78.323,119.599 77.893,119.599 77.724,119.43 C17_IN4.1@77.724,119.38 77.597,119.507 R26_IN4.1@75.057,119.507 C17_IN2.1@70.739,119.507 ; R26_IN6.1@82.592,119.615 84.982,119.615 C17_IN6.1@85.09,119.507 85.198,119.615 R26_IN8.1@89.958,119.615 ; R26_IN8.1@89.789,119.634 92.329,119.634 C17_IN8.1@92.456,119.507 92.583,119.634 96.497,119.634 96.624,119.761 R26_IN10.1@96.774,119.761 ; R26_IN10.1@96.924,119.761 97.178,119.507 C17_IN10.1@99.441,119.507 ; C17_IN10.1@99.822,119.507 v1(107.95,119.507) ; R26_IN11.1@103.632,99.568 C17_IN9.1@99.568,99.568 ; v1(107.823,100.457) 106.934,99.568 C17_IN9.1@99.568,99.568
  other v1: 110.363,98.806 108.966,100.076 106.553,118.745 106.68,120.523 75.438,160.655 78.232,160.655 70.104,160.782 69.469,162.814 76.581,162.814
pads on no net: IC2.9 J1.16 J1.17 J2.16 J2.17 J3.38 J3.39 RL1.2 U1.4 U2.3 U2.4 U2.5 U2.6
copper on no net:
  other v2: 29.972,79.248 195.961,79.248 195.961,170.307 29.972,170.434

## Polygon pours and split planes (outlines as drawn)
GND on Bottom Layer "GND_L02_P001" (solid, pour order 1): 28.596,69.69 28.977,69.309 197.506,69.309 197.506,178.402 197.379,178.529 197.252,178.402 28.342,178.402
GND on Top Layer "GND_L01_P000" (solid, pour order 0): 28.448,69.977 28.829,69.596 197.358,69.596 197.358,178.689 197.231,178.816 197.104,178.689 28.194,178.689

## Other copper
Top Layer:
  region net +5: 151.101,112.043 159.229,112.043 159.229,115.599 151.101,115.599
  region net VCC: 105.918,99.187 108.331,99.187 109.601,97.917 111.125,97.917 111.125,100.076 109.855,101.346 105.918,101.346
  region net VCC: 105.664,121.158 105.664,117.983 108.331,117.983 108.331,121.158
  region net GND: 55.118,166.497 55.245,166.624 59.436,166.624 59.436,166.751 61.087,168.402 65.532,168.402 66.675,169.545 73.152,169.545 73.914,168.783 73.914,166.497 74.93,166.497 74.93,168.783 87.757,168.783 88.773,169.799 98.425,169.799 99.568,168.656 99.949,169.037 101.219,169.037 101.219,170.18 100.33,171.069 54.356,171.069 54.356,170.688 54.356,167.259
  region net VCC: 63.5,167.132 67.437,167.132 67.945,166.624 67.945,164.211 68.326,163.83 73.787,163.83 73.787,165.481 75.057,165.481 75.057,163.83 82.931,163.83 84.201,162.56 90.678,162.56 90.678,159.766 65.913,159.766 65.913,165.989 65.786,166.116 65.024,166.116
  region net +5: 30.258,157.099 30.258,95.504 32.798,92.964 44.99,92.964 44.99,94.361 36.036,94.361 32.925,97.472 32.925,152.718 36.798,156.591
  region net +5: 30.243,156.486 30.37,156.613 36.72,156.613 36.72,164.36 36.974,164.614 30.243,164.614
  region net +5: 30.29,156.464 30.416,156.591 36.767,156.591 36.767,164.338 37.02,164.592 30.29,164.592
  region net GND: 30.734,85.281 35.306,85.281 35.433,85.153 35.433,92.138 30.861,92.138 30.734,92.266
  region net +5: 44.958,91.948 44.958,92.964 36.957,92.964 36.957,84.455 37.084,84.328 44.958,84.328
  region net +5: 61.087,73.787 62.484,73.787 62.484,80.01 60.706,80.01 60.706,74.041
Bottom Layer:
  region net +5: 151.13,112.014 159.258,112.014 159.258,115.57 151.13,115.57
  region net VCC: 105.918,99.187 108.331,99.187 109.601,97.917 111.125,97.917 111.125,100.076 109.855,101.346 105.918,101.346
  region net VCC: 105.664,121.142 105.664,117.967 108.358,117.967 108.358,121.142
  region net VCC: 68.453,163.703 68.453,159.766 79.248,159.766 79.248,163.83
  region net GND: 30.734,85.281 35.306,85.281 35.433,85.153 35.433,92.138 30.861,92.138 30.734,92.266
  region net +5: 40.64,87.63 44.958,91.948 44.958,92.964 36.957,92.964 36.957,84.455 37.084,84.328 40.64,84.328
  region net +5: 61.087,73.787 62.484,73.787 62.484,80.01 60.706,80.01 60.706,74.041

## Silkscreen, mask and mechanical layers (free items; w line width, h text height)
Top Overlay:
  circle w0.2: c195.953,79.22 r3
  circle w0.2: c195.953,170.22 r3
  circle w0.2: c29.953,170.22 r3
  circle w0.1: c29.953,79.22 r3
  text "1,9,2,10,3,11,4,12,5,13  / IN 1 -> 10 / P23 -> P32" at 70.866,146.685 h2.5
  text "14    - GND / 7      - VPP / 8,15 - COM,NO PUMP / 6      - EMG" at 96.774,145.161 h2.5
  text "P28" at 86.03,117.267 h2.5 r90
  text "P30" at 93.396,117.267 h2.5 r90
  text "P32" at 100.511,117.267 h2.5 r90
  text "P24" at 71.709,117.013 h2.5 r90
  text "P26" at 78.283,117.013 h2.5 r90
  text "P27" at 86.06,97.455 h2.5 r90
  text "P29" at 93.396,97.455 h2.5 r90
  text "P25" at 78.918,97.328 h2.5 r90
  text "P31" at 100,97.328 h2.5 r90
  text "EMG" at 106.731,97.328 h2.5 r90
  text "P23" at 71.552,97.201 h2.5 r90
  text "1,4,7,10,13,16 -> ENABLE 1->6 / 2,5,8,11,14,17 -> STEP / 3,6,9,12,15,18 -> DIR / GND" at 146.812,77.978 h2.03
Mechanical 1:
  lines w0.013: 26.453,68.22 26.453,181.22 199.453,181.22 199.453,68.22
  lines w0.5: 26.289,68.199 26.289,181.229 199.644,181.229 199.644,68.199 26.289,68.199

## Text inside footprints (layer, text, board x,y; h text height)
C1: Top Overlay "+" at 39.801,88.381 h0.89 r180
C2: Top Overlay "+" at 80.507,162.891 h0.89 r90
J1: Top Overlay "1" at 82.169,76.962 h1.5
J2: Top Overlay "1" at 40.937,77.47 h1.5 r270
J3: Top Overlay "1" at 131.953,76.581 h2.5